# KiCad board poly_kb_wave_left.kicad_pcb (continued)
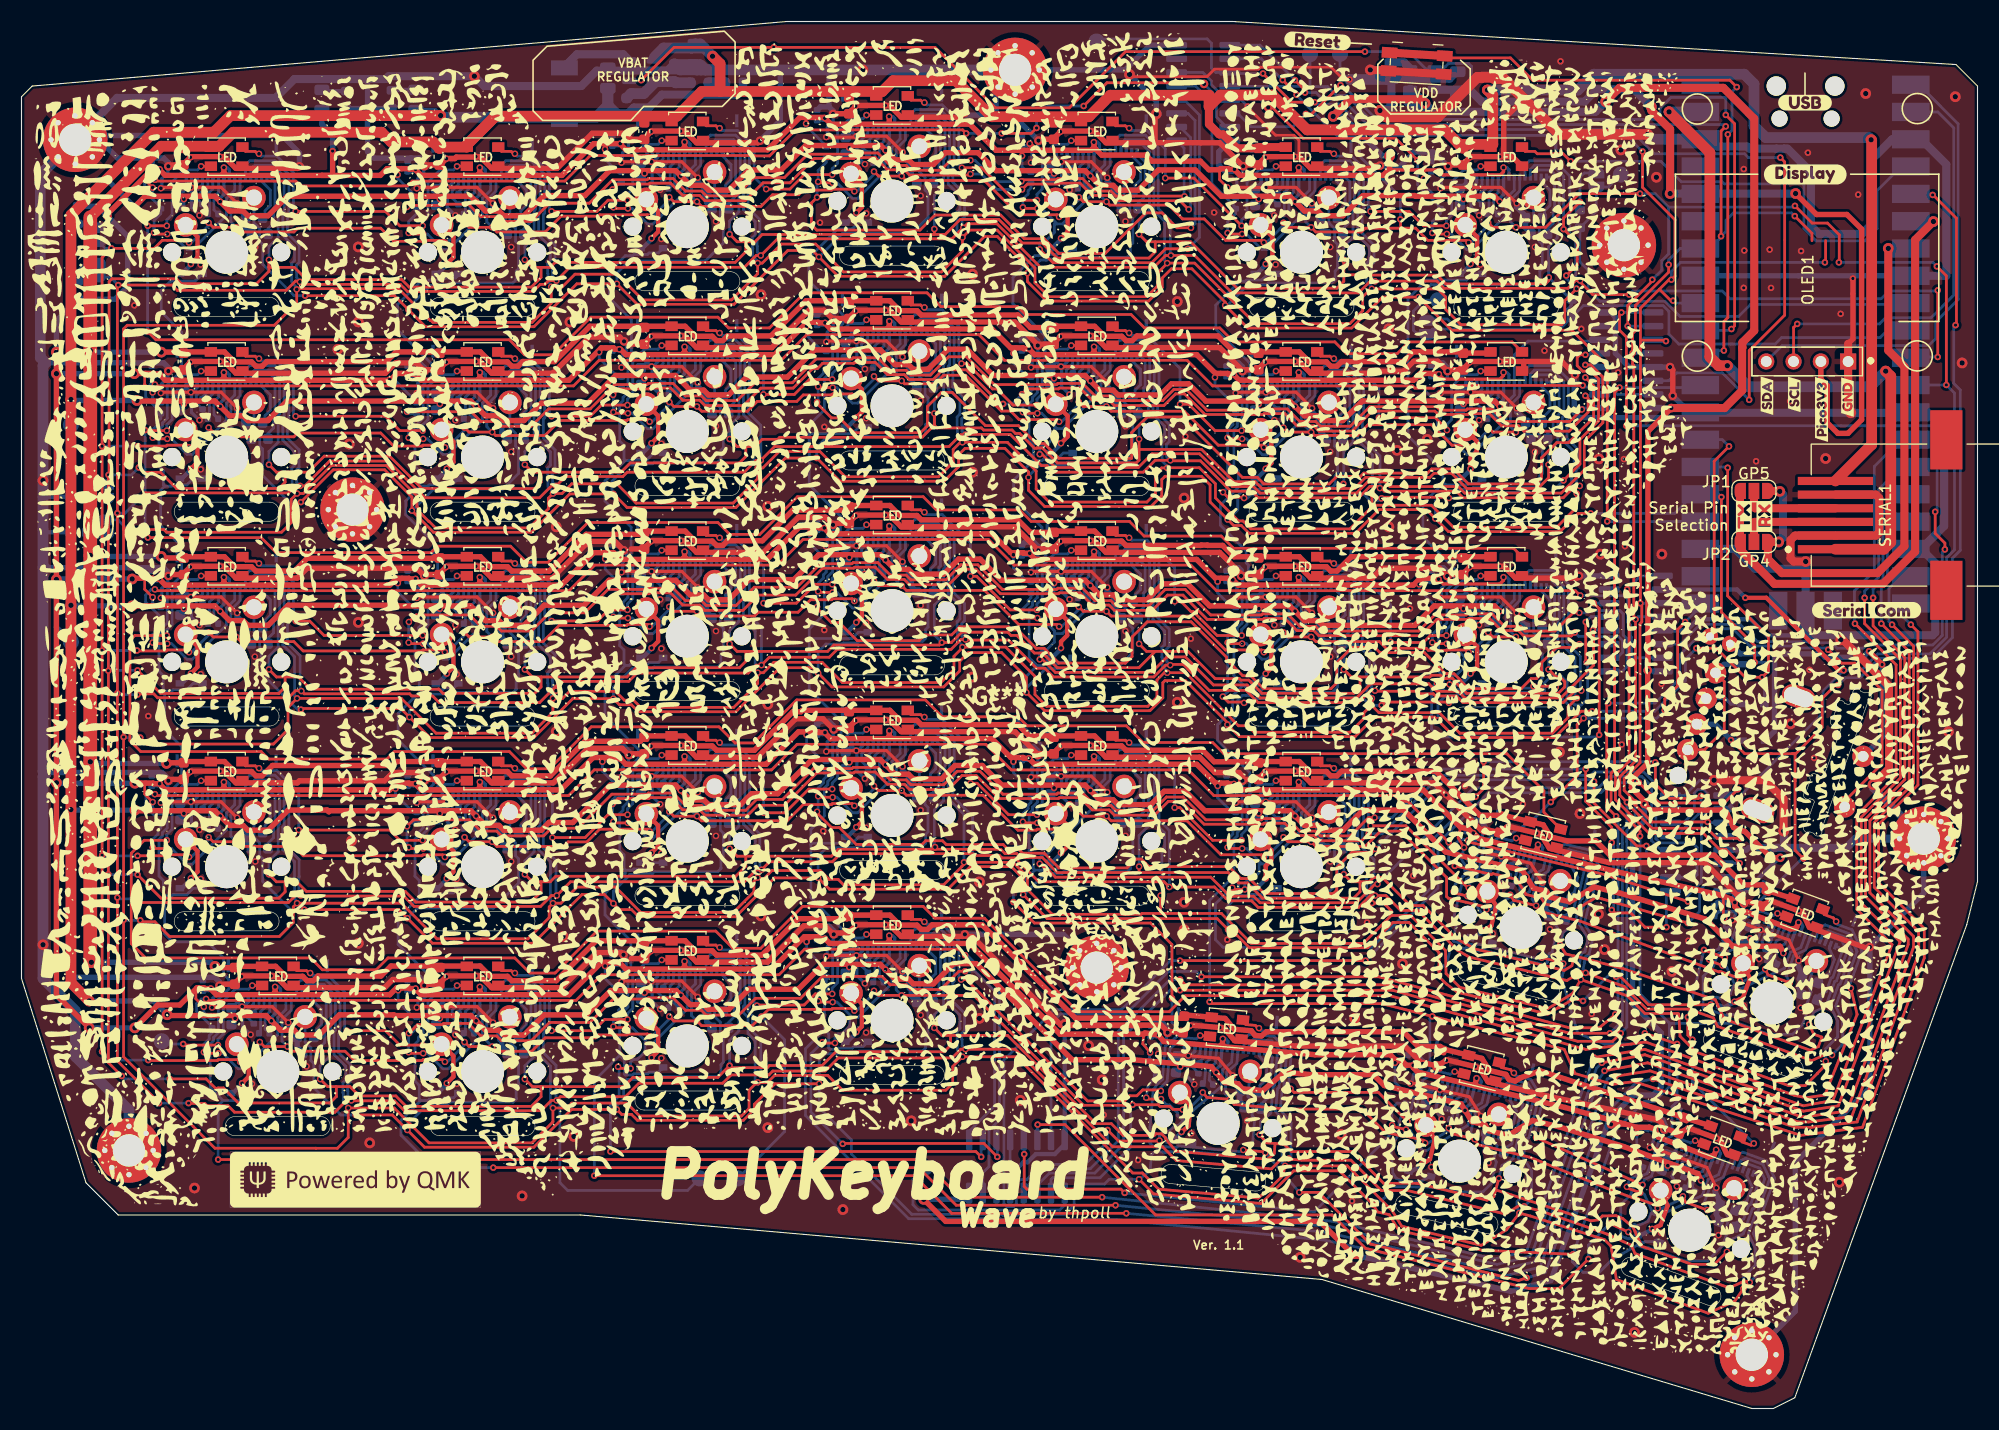
[diagram p0: board, top side]
## Routing (per net, layer and track width the routed paths; a pad name or vN(x,y) marks a point on that pad's centre or on a via; arc(x,y) is an arc through that point) (continued)
/K_W/CS: length 119.7
  Top w0.254: v3(56.43,92.57) 55.18,92.57 v3(55.07,92.67) ; v3(93.09,94.33) 93.59,94.83 96.48,94.83 96.57,94.91 98.49,94.91 99.63,93.78 101.19,93.78 101.69,93.28 106.3,93.28 107.39,94.37 108.21,94.37 110.13,92.45 115.53,92.45 115.62,92.53 117.54,92.53 118.68,91.4 120.24,91.4 120.73,90.91 123.8,90.91 125.66,92.76 131.51,92.76 131.83,92.45 134.58,92.45 134.67,92.53 136.59,92.53 137.73,91.4 139.29,91.4 139.79,90.9 144,90.9 145.77,92.67 145.77,93.94 v4(145.52,94.19) ; v3(55.05,94.28) 55.6,94.83 58.38,94.83 58.47,94.91 60.39,94.91 61.53,93.78 63.09,93.78 63.59,93.28 67.18,93.28 68.8,94.9 71.8,94.9 73.61,96.71 74.04,96.71 74.54,97.21 77.43,97.21 77.52,97.3 79.44,97.3 80.58,96.16 82.14,96.16 82.59,95.71 84.83,95.71 85.72,96.6 87.91,96.6 91.08,93.44 v4(91.33,93.44)
  Bottom w0.254: v3(55.07,92.67) 55.07,94.25 v3(55.05,94.28) 55.05,94.4 55.57,94.92 R1_10.2 ; U5.2 146.72,94.19 v4(145.52,94.19) ; v3(56.43,92.57) 56.83,92.57 58.27,91.13 58.76,91.13 61.94,94.3 61.94,95.88 62.7,96.64 CONN10.10 ; v4(91.33,93.44) 92.2,93.44 v3(93.09,94.33)
/K_W/SW-D: length 5.9
  Top w0.4: SW_K_10.2 59.24,92.31 59.24,90.4 v3(58.62,89.78)
  Bottom w0.25: 57.55,88.84 57.76,88.84
  Bottom w0.4: v3(58.62,89.78) 58.62,89.71 57.76,88.84
/K_W/VCOMH: length 4.2
  Bottom w0.254: CONN10.15 65.2,97.47 66.02,96.66 66.02,95.22 65.52,94.72 65.52,94.18
/K_X/C1N: length 3.8
  Bottom w0.254: C6_24.2 60.77,56.72 60.77,57.91 61.2,58.34 CONN24.7
/K_X/C1P: length 3.6
  Bottom w0.254: C6_24.1 60.35,56.48 60.35,58.34 60.66,58.65 60.66,59.72 CONN24.6
/K_X/C2N: length 1.8
  Bottom w0.254: C5_24.2 59.71,58.36 60.2,58.85 CONN24.5
/K_X/C2P: length 3
  Bottom w0.254: CONN24.4 59.7,59.07 59.13,58.5 59.13,57.81 C5_24.1
/K_X/CS: length 137.7
  Top w0.254: v3(55.07,54.57) 55.18,54.47 v3(56.43,54.47) ; v3(125.35,53.45) 124.7,52.8 120.74,52.8 120.24,53.3 118.68,53.3 117.54,54.43 115.62,54.43 115.53,54.35 110.03,54.35 107.91,56.47 106.71,56.47 105.42,55.18 101.69,55.18 101.19,55.68 99.63,55.68 98.49,56.81 96.57,56.81 96.48,56.73 90.97,56.73 88.83,58.87 87.51,58.87 86.21,57.57 82.64,57.57 82.14,58.06 80.58,58.06 79.44,59.2 77.52,59.2 77.43,59.11 73.99,59.11 70.98,56.1 68.5,56.1 67.58,55.18 63.59,55.18 63.09,55.68 61.53,55.68 60.39,56.81 58.47,56.81 58.38,56.73 55.49,56.73 v3(54.99,56.23)
  Bottom w0.254: v3(56.43,54.47) 56.83,54.47 58.27,53.03 58.76,53.03 61.94,56.2 61.94,57.78 62.7,58.54 CONN24.10 ; R1_24.2 55.22,56.82 54.99,56.6 v3(54.99,56.23) 54.99,54.65 v3(55.07,54.57) ; U7.2 155.67,49.41 155.9,49.64 155.9,52.18 155.48,52.6 152.47,52.6 152.08,52.99 152.08,58.05 150.93,59.2 146.33,59.2 146.02,58.89 132.04,58.89 126.6,53.45 v3(125.35,53.45)
/K_X/LED_DOUT: length 27
  Top w0.254: 60.49,60.77 60.48,60.77 v3(59.57,60.77) ; 44.26,60.17 44.66,59.77 45.56,59.77 45.78,59.55 v3(45.91,59.55) ; v3(49.4,53.1) 52.45,53.1 54.57,55.23 v3(56.38,55.23)
  Bottom w0.254: v3(49.4,53.1) 49.4,57.51 47.57,59.33 46.13,59.33 v3(45.91,59.55) ; v3(59.57,60.77) 59.24,60.43 58,60.43 56.88,59.32 56.88,56.27 56.38,55.78 v3(56.38,55.23)
/K_X/SW-D: length 5.9
  Top w0.4: SW_K_24.2 59.24,54.21 59.24,52.3 v3(58.62,51.68)
  Bottom w0.25: 57.55,50.74 57.76,50.74
  Bottom w0.4: 57.76,50.74 58.62,51.61 v3(58.62,51.68)
/K_X/VCOMH: length 4.2
  Bottom w0.254: 65.52,56.08 65.52,56.62 66.02,57.12 66.02,58.56 65.2,59.37 CONN24.15
/K_Z/C1N: length 3.8
  Bottom w0.254: CONN23.7 42.15,55.96 41.72,55.53 41.72,54.34 C6_23.2
/K_Z/C1P: length 3.6
  Bottom w0.254: CONN23.6 41.61,57.34 41.61,56.27 41.3,55.96 41.3,54.1 C6_23.1
/K_Z/C2N: length 1.8
  Bottom w0.254: C5_23.2 40.66,55.98 41.15,56.47 CONN23.5
/K_Z/C2P: length 3
  Bottom w0.254: C5_23.1 40.08,55.43 40.08,56.12 40.65,56.69 CONN23.4
/K_Z/CS: length 161.2
  Top w0.254: v3(37.38,52.09) 36.13,52.09 v3(36.02,52.19) ; v4(153.06,44.77) 151.04,44.77 151.04,44.78 149.73,46.09 148.25,46.09 v4(147.97,46.37) ; v3(35.87,54.15) 36.47,54.75 41.69,54.75 42.74,53.7 44.21,53.7 44.66,53.26 48.58,53.26 49.3,53.97 51.77,53.97 54.93,57.14 58.22,57.14 58.33,57.24 60.63,57.24 61.79,56.08 63.26,56.08 63.71,55.64 67.38,55.64 68.4,56.65 70.82,56.65 73.68,59.52 77.27,59.52 77.38,59.63 79.68,59.63 80.84,58.46 82.31,58.46 82.76,58.02 85.82,58.02 87.07,59.27 89.18,59.27 91.32,57.14 96.32,57.14 96.43,57.24 98.73,57.24 99.89,56.08 101.36,56.08 101.81,55.64 105.3,55.64 106.54,56.87 108.08,56.87 110.2,54.75 115.37,54.75 115.48,54.86 117.78,54.86 118.94,53.7 120.41,53.7 120.86,53.26 123.63,53.26 125.33,54.96 v3(125.9,54.96) ; v4(145.54,59.48) 145.54,56.47 147.97,54.05 v4(147.97,52.64)
  Bottom w0.254: U7.1 153.06,47.76 v4(153.06,44.77) ; v4(145.54,59.48) 132.05,59.48 127.53,54.96 v3(125.9,54.96) ; R1_23.2 36.16,54.44 v3(35.87,54.15) 35.87,52.34 v3(36.02,52.19) ; v4(147.97,46.37) 148.14,46.55 148.14,52.46 v4(147.97,52.64) ; v3(37.38,52.09) 37.78,52.09 39.22,50.65 39.71,50.65 42.89,53.82 42.89,55.4 43.65,56.16 CONN23.10
/K_Z/SW-D: length 5.9
  Top w0.4: v3(39.57,49.3) 40.19,49.92 40.19,51.83 SW_K_23.2
  Bottom w0.25: 38.5,48.36 38.71,48.36
  Bottom w0.4: 38.71,48.36 39.57,49.22 v3(39.57,49.3)
/K_Z/VCOMH: length 4.2
  Bottom w0.254: 46.47,53.69 46.47,54.24 46.97,54.74 46.97,56.17 46.15,56.99 CONN23.15
/ShiftRegisters/Carry1: length 90.1
  Top w0.254: v4(163.65,116.35) 164.06,115.94 164.06,101.69 160.76,98.39 v4(160.76,93.81) ; v4(119.43,122.39) 119.43,122.62 v4(118.49,123.56)
  Bottom w0.254: v4(160.76,93.81) 158.25,96.32 153.99,96.32 153.26,95.59 151.8,95.59 ; v4(119.43,122.39) 120.45,122.39 121.12,121.73 122.93,121.73 125.69,118.96 149.67,118.96 151.93,116.7 160.33,116.7 160.68,116.35 v4(163.65,116.35) ; v4(118.49,123.56) 115.24,126.81 U4.9
/ShiftRegisters/Carry2: length 90.6
  Top w0.254: v4(178.96,79.9) 178.96,80.49 178.06,81.39 v4(178.06,83.4) ; v4(148.87,101.94) 148.69,101.76 148.69,100.29 149.33,99.66 v4(149.33,91.4)
  Bottom w0.254: v4(178.06,83.4) 178.24,83.58 178.24,90.82 177.66,91.4 149.33,91.4 v4(149.33,91.4) ; 151.8,101.94 v4(148.87,101.94) ; v4(178.96,79.9) 178.72,79.66 178.72,71.9 177.84,71.02 171.67,71.02 171.36,70.72 168.94,70.72 168.43,71.23 166.34,71.23 166.25,71.32 161.53,71.32 159.92,72.93 156.18,72.93 154.35,71.09 U6.14
/ShiftRegisters/Carry3: length 39.5
  Top w0.254: v4(149.4,76.2) 149.58,76.02 149.58,60.19 148.31,58.92 148.31,56.63 148.79,56.15 148.79,56.14 151.45,53.49 156.51,53.49 157.99,52.01 158.58,52.01 v4(159.87,50.71)
  Bottom w0.254: U6.9 150.64,77.44 v4(149.4,76.2) ; U7.14 158.42,50.71 v4(159.87,50.71)
/ShiftRegisters/Carry4: length 96.9
  Top w0.254: v4(159.7,57.59) 158.43,56.32 152.39,56.32 v4(150.5,58.21) ; v4(107.8,41.65) v4(125.05,41.65)
  Bottom w0.254: v4(150.5,58.21) 147.9,58.21 146.96,57.27 136.49,57.27 131.8,52.58 131.8,48.4 v4(125.05,41.65) ; U8.14 90.72,22.39 91.41,23.09 91.41,32.41 96.1,37.1 102.35,37.1 106.9,41.65 v4(107.8,41.65) ; U7.9 158.62,57.26 159.37,57.26 v4(159.7,57.59)
/ShiftRegisters/CarryOut: length 19.6
  Bottom w0.254: TP5.1 82.95,21.3 82.95,18.95 83.44,18.46 91.41,18.46 91.49,18.38 92.48,18.38 92.56,18.46 96.61,18.46 97.07,18.92 U8.9
Col1: length 346.2
  Top w0.254: v4(170.6,73) 174.43,69.17 174.43,58.83 170.77,55.17 170.77,46.43 174.05,43.15 168.55,28.65 165.8,28.15 151.05,33.4 v4(146.3,32.65) ; v4(18.3,23.15) 83.8,23.15 87.3,19.65 v4(100.55,19.65)
  Bottom w0.25: 15.53,86.05 15.97,86.49 D1_8.1 ; 15.53,67 15.97,67.44 D1_15.1 ; D1_22.1 15.97,48.39 15.53,47.95
  Bottom w0.254: 13.32,85.79 13.2,85.91 13.2,87.21 12.8,87.61 12.8,91.05 13.11,91.36 13.11,91.66 13.56,92.11 13.56,95.2 14.91,96.55 14.91,100.09 13,102 13,104 13.85,104.85 16.15,104.85 D1_1.1 ; 13.32,85.79 13.78,85.79 14,85.79 14.12,85.91 15.39,85.91 15.53,86.05 ; 13.32,85.79 12.95,85.41 12.95,82.12 14.91,80.17 14.91,77.5 13.56,76.15 13.56,73.06 13.11,72.61 13.11,72.31 12.8,72 12.8,68.56 13.2,68.16 13.2,66.86 13.32,66.74 ; U1.14 172.4,87.62 172.4,77.9 170.55,76.05 170.55,73.05 v4(170.6,73) ; 15.53,67 15.39,66.86 14.12,66.86 14,66.74 13.78,66.74 13.32,66.74 ; v4(18.3,23.15) 18.3,28.17 18.76,28.64 ; v4(146.3,32.65) 140.05,14.65 137.05,13.9 122.05,17.4 v4(100.55,19.65) ; 18.76,28.64 20.9,28.64 D1_29.1 ; 18.76,28.64 17.56,29.84 17.56,33.9 17.87,34.21 17.87,34.51 18.32,34.96 18.32,38.05 19.29,39.02 19.29,39.91 18.8,40.4 18.8,41.9 17.3,43.4 14.05,43.4 13.32,44.13 13.32,47.69 ; 15.53,47.95 15.39,47.81 14.12,47.81 14,47.69 13.78,47.69 13.32,47.69 ; 13.32,47.69 13.2,47.81 13.2,49.11 12.8,49.51 12.8,52.95 13.11,53.26 13.11,53.56 13.56,54.01 13.56,57.1 14.91,58.45 14.91,61.54 13.32,63.13 13.32,66.74
Col2: length 328.4
  Top w0.254: v4(171.5,75.4) 171.5,73 174.83,69.67 174.83,58.66 171.17,55.01 171.17,47.03 174.8,43.4 169.05,28.15 165.8,27.65 151.05,32.9 v4(147.05,32.15) ; v4(101.8,18.9) 86.97,18.9 83.47,22.4 v4(43.9,22.4)
  Bottom w0.25: 39.35,67 40.21,67 D1_16.1 ; 39.35,28.9 40.21,28.9 D1_30.1 ; 39.35,47.95 40.21,47.95 D1_23.1 ; 39.35,86.05 40.21,86.05 D1_9.1 ; 39.35,105.1 39.38,105.14 40.39,105.14 40.65,105.4 D1_2.1
  Bottom w0.254: 37.13,66.74 37.01,66.86 37.01,68.16 36.61,68.56 36.61,72 36.92,72.31 36.92,72.61 37.37,73.06 37.37,76.15 38.72,77.5 38.72,80.17 35.75,83.14 35.75,84.4 37.13,85.79 ; 37.13,66.74 35.05,64.65 35.05,62.17 38.34,58.88 38.34,58.07 37.37,57.1 37.37,54.01 36.92,53.56 36.92,53.26 36.61,52.95 36.61,49.51 37.01,49.11 37.01,47.81 37.13,47.69 ; 37.13,66.74 37.41,66.74 37.51,66.84 39.19,66.84 39.35,67 ; 37.13,85.79 37.01,85.91 37.01,87.21 36.61,87.61 36.61,91.05 36.92,91.36 36.92,91.66 37.37,92.11 37.37,95.2 38.16,95.99 38.16,97.16 35,100.32 35,102.7 37.13,104.84 37.6,104.84 37.81,104.84 37.93,104.96 39.2,104.96 39.35,105.1 ; 37.13,85.79 37.6,85.79 37.81,85.79 37.93,85.91 39.21,85.91 39.35,86.05 ; v4(101.8,18.9) 121.8,16.9 137.3,13.4 140.3,14.15 140.55,14.4 146.55,31.65 v4(147.05,32.15) ; 37.13,28.64 37.01,28.76 37.01,30.06 36.61,30.46 36.61,33.9 36.92,34.21 36.92,34.51 37.37,34.96 37.37,38.05 38.34,39.02 38.34,39.86 35.05,43.15 35.05,45.6 37.13,47.69 ; 37.13,28.64 37.56,28.64 37.82,28.64 37.93,28.76 39.2,28.76 39.35,28.9 ; 37.13,28.64 35.31,26.82 35.31,25.42 38.33,22.4 v4(43.9,22.4) ; v4(171.5,75.4) 171.5,76.03 172.8,77.33 172.8,85.48 U1.15 ; 37.13,47.69 37.6,47.69 37.81,47.69 37.93,47.81 39.2,47.81 39.35,47.95
Col3: length 313.1
  Top w0.254: v4(53.3,21.65) 83.05,21.65 86.55,18.15 v4(102.8,18.15) ; v4(172.29,75.4) 172.29,72.79 175.24,69.84 175.24,58.49 171.58,54.84 171.58,47.62 175.55,43.65 175.55,43.15 170.05,28.15 169.8,27.65 166.05,27.15 165.55,27.15 151.3,32.15 v4(147.3,31.4)
  Bottom w0.25: D1_24.1 58.83,50.77 58.4,50.33 ; D1_17.1 59.26,69.38 58.4,69.38 ; 58.4,107.48 59.26,107.48 D1_3.1 ; 58.4,88.43 58.83,88.87 D1_10.1
  Bottom w0.254: v4(102.8,18.15) 121.3,16.4 136.8,12.9 137.55,12.9 140.8,13.65 146.8,30.65 v4(147.3,31.4) ; 56.18,50.07 56.18,49.79 54.3,47.9 54.3,45.9 56.7,43.51 56.7,40.71 56.42,40.43 56.42,37.34 55.97,36.89 55.97,36.59 55.66,36.28 55.66,32.85 ; 56.18,50.07 56.06,50.2 56.06,51.5 55.66,51.9 55.66,55.33 55.97,55.64 55.97,55.94 56.42,56.39 56.42,59.48 57.39,60.45 57.39,61.31 54.3,64.4 54.3,67.23 56.18,69.12 ; 56.18,50.07 56.65,50.07 56.86,50.07 56.98,50.19 58.25,50.19 58.4,50.33 ; 58.4,107.48 58.25,107.34 56.98,107.34 56.86,107.22 56.65,107.22 56.18,107.22 54.7,105.73 54.7,103.3 56.75,101.25 56.75,97.91 56.42,97.58 56.42,94.49 55.97,94.04 55.97,93.74 55.66,93.43 55.66,90 56.06,89.6 56.06,88.3 56.18,88.17 ; 58.4,69.38 58.25,69.24 56.98,69.24 56.97,69.22 56.65,69.22 56.54,69.12 56.18,69.12 ; 56.18,69.12 56.06,69.25 56.06,70.55 55.66,70.95 55.66,74.38 55.97,74.69 55.97,74.99 56.42,75.44 56.42,78.53 56.72,78.83 56.72,81.98 54.3,84.4 54.3,86.28 56.18,88.17 ; 56.18,88.17 56.65,88.17 56.86,88.17 56.98,88.29 58.25,88.29 58.4,88.43 ; 55.66,32.85 53.3,30.48 v4(53.3,21.65) ; 55.66,32.85 56.09,32.41 56.09,31.51 56.11,31.49 56.11,31.09 56.18,31.02 56.86,31.02 56.98,31.14 58.25,31.14 58.4,31.28 59.26,31.28 D1_31.1 ; v4(172.29,75.4) 172.29,76.24 173.21,77.17 173.21,83.35 U1.16
Col4: length 296.2
  Top w0.254: v4(148.3,30.9) 151.55,31.4 165.3,26.65 166.3,26.65 170.3,27.15 176.05,42.9 176.05,43.9 171.99,47.96 171.99,54.67 175.64,58.33 175.64,70.41 v4(173.05,73)
  Bottom w0.25: D1_18.1 77.88,72.2 77.45,71.76 ; 77.45,90.81 77.88,91.25 D1_11.1 ; 77.45,52.71 77.89,53.15 77.89,53.15 D1_25.1 ; D1_4.1 77.88,110.3 77.45,109.86 ; 77.45,33.66 78.31,33.66 D1_32.1
  Bottom w0.254: 73.3,71.7 73.3,72.5 74.71,73.91 74.71,76.76 75.02,77.07 75.02,77.37 75.47,77.82 75.47,80.92 76.19,81.63 76.19,83.01 73.3,85.9 73.3,90.5 ; 73.3,71.7 73.3,66.9 76.25,63.95 76.25,62.65 75.47,61.87 75.47,58.77 75.02,58.32 75.02,58.02 74.71,57.71 74.71,55.11 73.45,53.85 73.45,52.45 ; 73.3,71.7 73.38,71.62 77.3,71.62 77.45,71.76 ; 76.03,109.72 77.3,109.72 77.45,109.86 ; 73.45,52.45 73.45,47.5 76.44,44.51 76.44,43.78 75.47,42.82 75.47,39.72 75.02,39.27 75.02,38.97 74.71,38.66 74.71,35.23 ; 73.45,52.45 73.56,52.57 77.3,52.57 77.45,52.71 ; 74.71,35.23 72.95,33.47 72.95,27.25 82.55,17.65 91.07,17.65 91.15,17.57 101.91,17.57 121.3,15.65 137.3,12.15 141.3,13.15 147.55,30.65 v4(148.3,30.9) ; 74.71,35.23 75.11,34.83 75.11,33.53 75.23,33.4 75.7,33.4 75.91,33.4 76.03,33.52 77.3,33.52 77.45,33.66 ; 76,109.75 73.25,107 73.25,104.89 76.44,101.7 76.44,100.93 75.47,99.97 75.47,96.87 75.02,96.42 75.02,96.12 74.71,95.81 74.71,92.89 73.3,91.48 73.3,90.5 ; 73.3,90.5 73.46,90.67 77.3,90.67 77.45,90.81 ; U1.17 173.62,81.22 173.62,77 173.05,76.43 v4(173.05,73)
Col5: length 259.6
  Top w0.254: v4(92.3,47.1) 94.25,45.15 105.05,45.15 107.05,43.15 v4(107.05,38.15) ; v4(140.05,12.15) 139.3,11.9 125.5,15.3 120.7,20.1 v3(118.9,20.1) ; v4(151.8,30.65) 165.05,26.15 166.55,26.15 170.8,26.65 176.55,42.4 176.51,44.37 172.39,48.48 172.39,54.5 176.05,58.16 176.05,70.9 v4(174.05,72.9) ; v3(115.74,23.79) 115.67,23.87 v3(113.68,24.04)
  Bottom w0.25: 107.59,24.39 107.63,24.43 109.91,24.23 109.95,24.19 ; 96.5,88.43 96.93,88.87 D1_12.1 ; 96.5,107.48 97.36,107.48 D1_5.1 ; D1_19.1 97.36,69.38 96.5,69.38 ; D1_26.1 96.91,50.77 96.5,50.35 96.5,50.33
  Bottom w0.254: 96.5,50.33 96.35,50.19 95.08,50.19 94.96,50.07 94.75,50.07 94.28,50.07 ; v4(92.3,47.1) 92.3,48.08 94.28,50.07 ; 96.5,107.48 96.35,107.34 95.08,107.34 94.97,107.22 94.64,107.22 94.64,107.22 94.28,107.22 92.25,105.18 92.25,102.75 95.24,99.76 95.24,98.3 94.52,97.58 94.52,94.49 94.07,94.04 94.07,93.74 93.76,93.43 93.76,90 94.16,89.6 94.16,88.3 94.28,88.17 94.31,88.17 ; U1.19 173.76,76.28 173.76,73.19 v4(174.05,72.9) ; 94.31,88.17 94.14,88.17 92.31,86.34 92.31,84.59 94.95,81.95 94.95,80.85 95.32,80.48 95.32,79.33 94.52,78.53 94.52,75.44 94.07,74.99 94.07,74.69 93.76,74.38 93.76,69.84 94.5,69.1 ; 94.31,88.17 94.59,88.17 94.59,88.17 94.97,88.17 95.08,88.29 96.35,88.29 96.5,88.43 ; v4(151.8,30.65) 150.3,30.35 150.29,30.35 147.03,27.1 141.8,12.65 v4(140.05,12.15) ; 94.5,69.1 92.7,67.29 92.7,63.95 95.24,61.41 95.24,60.2 94.52,59.48 94.52,56.39 94.07,55.94 94.07,55.64 93.76,55.33 93.76,51.9 94.16,51.5 94.16,50.2 94.28,50.07 ; 94.5,69.1 94.98,69.1 95.12,69.24 96.35,69.24 96.5,69.38 ; 107.59,24.39 107.44,24.26 106.17,24.37 106.08,24.29 105.83,24.29 105.37,24.33 105,24.69 105,26.19 105.3,29.61 105.7,30.2 106.15,30.6 106.42,33.69 107.47,34.56 107.47,35.48 107.05,35.9 v4(107.05,38.15) ; v3(118.9,20.1) v3(115.74,23.79) ; v3(113.68,24.04) 113.48,23.88 109.95,24.19
Col6: length 231.1
  Top w0.254: v4(175.8,72.9) 176.46,72.25 176.46,57.99 172.8,54.33 172.8,48.9 177.05,44.65 177.05,41.9 171.3,26.15 165.55,25.4 150.05,30.4 148.05,30.15 144.55,31.15 143.55,33.4 v4(131.27,36.47) 126.55,37.65 110.71,37.65 v4(110.55,37.82)
  Bottom w0.25: 115.55,105.1 115.98,105.54 D1_6.1 ; 115.55,67 115.98,67.44 D1_20.1 ; 115.55,47.95 116.41,47.95 D1_27.1 ; 115.4,85.91 115.55,86.05 116.41,86.05 D1_13.1
  Bottom w0.254: 115.55,47.95 115.4,47.81 114.17,47.81 114.06,47.7 113.58,47.7 113.57,47.71 113.31,47.71 113.25,47.77 113.25,48.03 113.24,48.04 113.24,48.52 113.25,48.54 113.25,48.69 113.21,48.73 113.21,49.11 112.81,49.51 ; 115.55,105.1 115.4,104.96 113.98,104.96 113.86,104.84 113.8,104.84 113.33,104.84 111.12,102.63 111.12,100.39 114.29,97.23 114.29,95.92 113.57,95.2 113.57,92.11 113.12,91.66 113.12,91.36 112.81,91.05 112.81,87.61 113.21,87.21 113.21,86.85 113.22,86.84 113.22,86.36 113.21,86.34 113.21,85.91 113.33,85.79 ; 113.69,67.3 112.7,66.3 112.7,65 111.3,63.6 111.3,62.12 114.29,59.13 114.29,57.82 113.57,57.1 113.57,54.01 113.12,53.56 113.12,53.26 112.81,52.95 112.81,49.51 ; 113.69,67.3 112.81,68.18 112.81,72 113.12,72.31 113.12,72.61 113.57,73.06 113.57,76.15 114.16,76.74 114.16,78.45 113.95,78.66 113.95,79.75 111.55,82.15 111.55,84 113.33,85.79 ; 113.69,67.3 114.13,66.86 115.4,66.86 115.55,67 ; v4(110.55,37.82) 110.55,47.25 112.81,49.51 ; v4(131.27,36.47) 131.22,36.47 131.05,36.3 131.05,31.47 130.99,31.41 130,30.8 129.3,27.9 128.43,27.27 128.2,26.7 128.1,25.4 127.55,24.55 127.43,23.93 127.6,21.9 127.91,21.41 128.7,21.1 130.1,21.1 D1_34.1 ; 113.33,85.79 113.8,85.79 114.01,85.79 114.13,85.91 115.4,85.91 ; U1.20 174.89,73.81 v4(175.8,72.9)
Col7: length 165.6
  Top w0.254: v4(152.9,64.95) 152.9,66 154.1,67.2 154.1,72.45 v4(154.8,73.15) ; v3(143.45,41.37) 143.4,41.47 v3(141.46,41.93) ; v4(142.3,56.4) 144.75,58.85 144.75,63.6 v3(145.35,64.2) ; v3(142.76,67.1) 142.69,67.18 v3(140.69,67.18) ; v4(154.05,33.9) v4(151.05,34.9)
  Bottom w0.25: 151.05,15.5 151.1,15.52 151.92,15.52 152.05,15.65 152.24,15.65 D1_35.1 ; D1_7.1 135.03,105.54 134.6,105.1 ; 136.96,67 136.93,67.04 134.63,67.04 134.6,67 ; 137.79,42.62 137.76,42.67 135.53,43.21 135.49,43.18 ; D1_14.1 135.46,86.05 134.6,86.05
  Bottom w0.254: v4(154.05,33.9) 154.05,28.55 153.57,28.07 153.57,25.36 152.33,24.78 151.27,21.87 150.69,21.6 150.59,21.32 150.19,21.14 149.73,19.87 148.81,18.95 148.81,16.17 148.88,16.01 149.32,15.85 149.32,15.85 149.52,15.78 149.67,15.85 150.87,15.42 151.05,15.5 ; v3(143.45,41.37) 143.59,41.15 143.32,40.02 144.8,34.9 147.3,33.9 150.05,33.9 v4(151.05,34.9) ; v4(142.3,56.4) 142.28,56.4 140.52,54.64 138.44,53.37 137.29,53.65 136.9,53.25 136.87,53.25 135.71,52.54 134.98,49.53 134.44,49.19 134.37,48.91 133.99,48.68 133.19,45.34 133.49,44.86 133.18,43.59 133.28,43.44 133.72,43.33 133.94,43.28 134.08,43.37 135.31,43.07 135.49,43.18 ; 134.6,67 134.45,66.86 133.21,66.86 133.12,66.76 133.09,66.76 133.06,66.74 132.85,66.74 132.38,66.74 132.26,66.86 132.26,67.19 132.29,67.23 132.29,67.71 132.28,67.73 132.28,67.78 132.27,67.79 132.27,67.79 132.26,67.8 132.26,68.16 131.86,68.56 131.86,72 132.17,72.31 132.17,72.61 132.62,73.06 132.62,76.15 133.34,76.87 133.34,78.11 130.4,81.05 130.4,84.17 132.28,86.05 132.28,86.11 ; v4(152.9,64.95) 152.15,64.2 v3(145.35,64.2) 145.2,64.2 142.76,66.64 v3(142.76,67.1) ; 134.6,105.1 134.45,104.96 130.75,104.96 129.01,103.21 129.01,90.47 132.26,87.21 132.26,86.09 132.28,86.11 ; 134.6,86.05 134.45,85.91 132.49,85.91 132.28,86.11 ; v3(141.46,41.93) 141.24,41.8 137.79,42.62 ; v3(140.69,67.18) 140.51,67 136.96,67 ; U1.21 156.52,74.87 v4(154.8,73.15)
Col8: length 110.2
  Top w0.254: 164.78,60.9 165.09,60.9 167.55,63.36 167.55,66.04 168.8,67.29 v4(169.03,67.29) ; 164.78,60.9 162.79,60.9 ; 164.78,60.9 164.99,60.9 165.02,60.87 165.02,58.33 ; 165.02,58.33 165.02,58.67 ; 165.02,58.33 165.02,51.93 v4(165.8,51.15) ; v4(159.07,62.17) 160.34,60.9 162.79,60.9 ; 162.79,60.9 162.78,60.91 ; v4(179.96,100.76) 180.04,100.84 180.04,110.7 177.87,112.87 v4(177.83,112.87)
  Bottom w0.25: D1_36.1 160.05,36.64 158.71,36.64
  Bottom w0.254: U1.5 174.99,112.87 v4(177.83,112.87) ; 158.71,36.64 158.52,36.56 157.33,36.99 157.18,36.92 156.98,36.99 156.54,37.15 156.47,37.31 156.47,40.19 157.44,41.16 157.85,42.28 158.24,42.46 158.35,42.74 158.93,43.01 159.99,45.92 160.84,46.31 165.67,51.15 v4(165.8,51.15) ; v4(179.96,100.76) 179.79,100.59 179.79,95.34 180.4,94.73 180.4,79.81 179.67,79.08 179.67,71.7 177.74,69.78 172.89,69.78 171.07,67.96 169.7,67.96 v4(169.03,67.29)
  Bottom w0.5: ENC1.C 157.59,63.65 v4(159.07,62.17) 159.12,62.12 D12.1
D-C: length 1505
  Top w0.25: v4(12.8,28.4) 12.8,28.45 8.92,32.33 v4(8.92,47.52) v4(8.92,66.52) 8.92,104.41 v4(9,104.49)
  Top w0.254: 168.39,32.86 167.99,33.01 166.58,32.35 157.8,35.54 157.44,36.33 155.11,37.15 151.22,37.15 149.1,39.26 v3(145.54,40.52) 145.12,40.62 143.79,39.8 134.71,41.98 133.64,42.6 129.92,46.32 128.33,46.32 126.94,47.71 v3(125.94,47.71) 125.51,47.71 124.41,46.61 115.07,46.61 114.46,47.22 112.52,47.22 112.32,47.42 112.08,47.42 111,48.5 v3(106.8,48.5) 106.31,48.99 94.65,48.99 92.44,51.21 91.23,51.21 91.01,51.43 v3(88.52,51.43) 88.34,51.6 76.2,51.6 75.45,50.85 69.6,50.85 v3(68.86,50.11) ; 25.97,66.71 25.93,66.76 25.49,66.76 24.84,66.1 12.67,66.1 12.3,66.47 10.87,66.47 v4(10.8,66.4) ; 68.83,69.09 68.79,69.14 68.36,69.14 67.62,68.4 57.27,68.4 56.5,67.63 50.18,67.63 48.21,65.66 38.87,65.66 38.26,66.27 36.32,66.27 36.12,66.47 26.3,66.47 v3(26.04,66.73) ; 160.73,11.72 160.33,11.87 158.92,11.21 150.14,14.4 149.78,15.19 147.52,16.22 146.68,16.53 141.19,18.42 139.85,18.74 v3(139.82,18.8) 139.4,18.9 138.07,18.09 128.99,20.27 126.53,20.27 123.7,23.1 119.1,23.1 117.96,23.2 117.21,23.2 116.3,22.29 107.45,23.06 106.17,24.34 101.54,24.34 92.45,33.42 87.41,33.42 86.59,32.6 76,32.6 74.78,31.39 69.91,31.39 69.55,31.03 v3(68.85,31.03) 66.02,31.03 65.25,30.25 57.45,30.25 56.2,29 50.15,29 v3(49.8,28.66) ; 49.78,47.66 49.74,47.71 49.31,47.71 48.3,46.7 36.53,46.7 35.56,47.66 25.97,47.66 25.93,47.71 25.49,47.71 24.85,47.06 11.14,47.06 v4(10.8,47.4) ; v4(9,104.49) 14.01,104.49 14.5,104 24.64,104 25.49,104.86 25.93,104.86 26.23,104.55 35.25,104.55 35.9,103.9 47.61,103.9 48.26,104.55 48.7,104.55 49.04,104.9 v3(49.77,104.9) 51.01,106.14 67.26,106.14 68.36,107.24 v3(68.79,107.24) 70.34,108.79 86.58,108.79 87.41,109.62 87.43,109.62 v3(87.63,109.82) 88,110.19 90.76,110.19 94.81,106.14 105.36,106.14 106.46,107.24 109.16,107.24 112.64,103.76 124.41,103.76 125.51,104.86 131.7,104.86 132.37,104.19 143.89,104.19 144.61,104.91 v3(145.02,104.91) 145.02,104.78 146.2,103.6 v4(149.6,103.6) ; 49.78,28.61 49.74,28.66 49.31,28.66 48.35,27.7 35.63,27.7 34.71,28.61 30.73,28.61 v3(30.69,28.66) 30.26,28.66 29.16,27.56 19.82,27.56 19.21,28.17 17.27,28.17 17.07,28.37 15.58,28.37 v4(15.55,28.4) ; v4(10.9,84.54) 11.51,85.16 24.85,85.16 25.49,85.81 v3(25.93,85.81) 26.36,85.81 28.66,88.11 34.13,88.11 37.54,84.71 48.21,84.71 49.31,85.81 v3(49.74,85.81) 50.61,86.68 55.95,86.68 56.36,87.09 67.26,87.09 68.36,88.19 v3(68.79,88.19) 70.07,89.47 86.31,89.47 87.41,90.57 v3(87.84,90.57) 87.87,90.6 92,90.6 94.9,87.7 95.41,87.7 96.02,87.09 104.38,87.09 105.48,88.19 v3(106.89,88.19) 106.93,88.14 109.69,88.14 112.52,85.32 114.46,85.32 115.07,84.71 124.41,84.71 125.46,85.76 126.36,85.76 126.8,85.32 133.51,85.32 134.12,84.71 143.46,84.71 144.56,85.81 v3(144.99,85.81) ; v3(49.8,47.71) 51.08,48.99 67.26,48.99 68.36,50.09 68.79,50.09 68.83,50.04 ; v3(68.85,69.14) 69.59,69.88 75.17,69.88 75.9,70.6 86.49,70.6 87.41,71.52 v3(87.84,71.52) 87.88,71.47 91.83,71.47 94.45,68.85 95.2,68.85 96.02,68.04 105.36,68.04 106.46,69.14 v3(106.89,69.14) 106.95,69.2 108.11,69.2 110.52,66.79 113.93,66.79 115.07,65.66 124.41,65.66 125.51,66.76 v3(125.94,66.76) 125.98,66.71 129.9,66.71 130.14,66.47 131.37,66.47 131.57,66.27 133.51,66.27 134.12,65.66 143.46,65.66 144.56,66.76 144.99,66.76 145.03,66.71 ; v4(178.3,104) v4(178.3,97.8)
  Bottom w0.25: 8.67,104.82 v4(9,104.49)
  Bottom w0.254: v3(49.74,66.76) 49.42,67.08 49.42,67.63 49.39,67.66 49.39,68.24 49.65,68.5 49.65,70.1 48.56,71.19 48.56,72.95 48.69,73.08 48.69,76.66 48.56,76.79 48.56,76.79 47.39,77.95 45.06,77.95 44.65,77.54 CONN16.12 ; v4(15.55,28.4) v4(12.8,28.4) ; v4(8.92,66.52) 9.04,66.4 v4(10.8,66.4) ; CONN30.12 44.65,39.44 45.06,39.85 47.39,39.85 48.56,38.69 48.56,38.69 48.69,38.56 48.69,34.98 48.56,34.85 48.56,33.09 49.74,31.91 49.74,28.72 v3(49.8,28.66) 49.8,28.6 50.1,28.3 50.1,21 50.82,20.28 61.98,20.28 TP11.1 ; v4(149.6,103.6) 149.93,103.94 158.24,103.94 158.96,103.22 173.04,103.22 173.76,103.94 178.24,103.94 v4(178.3,104) ; v3(117.92,23.25) 118.12,23.44 118.12,26.53 118.12,26.59 117.13,27.77 117.29,29.52 117.42,29.64 117.74,33.2 117.62,33.34 117.62,33.34 116.56,34.6 114.24,34.81 113.79,34.44 CONN33.12 ; 106.89,107.24 106.89,110.49 105.76,111.62 105.76,116.47 105.76,117.25 105.07,117.94 105.06,117.94 104.57,118.43 102.21,118.43 101.8,118.02 CONN5.12 ; 125.94,104.86 125.62,105.18 125.62,105.73 125.59,105.76 125.59,106.34 125.85,106.6 125.85,108.2 124.76,109.29 124.76,111.05 124.89,111.18 124.89,114.76 124.76,114.89 124.76,114.89 123.59,116.05 121.26,116.05 120.85,115.64 CONN6.12 ; v3(49.74,85.81) 49.42,86.13 49.42,86.68 49.39,86.71 49.39,87.29 49.65,87.55 49.65,89.15 48.56,90.24 48.56,92 48.69,92.13 48.69,95.71 48.56,95.84 48.56,95.84 47.39,97 45.06,97 44.65,96.59 CONN9.12 ; v3(125.94,66.76) 125.62,67.08 125.62,67.63 125.59,67.66 125.59,68.24 125.85,68.5 125.85,70.1 124.76,71.19 124.76,72.95 124.89,73.08 124.89,76.66 124.76,76.79 124.76,76.79 123.59,77.95 121.26,77.95 120.85,77.54 CONN20.12 ; 87.52,109.94 87.52,110.62 87.75,110.85 87.75,112.97 86.66,114.05 86.66,115.81 86.79,115.94 86.79,119.52 86.66,119.65 86.66,119.65 85.49,120.81 83.16,120.81 82.75,120.41 CONN4.12 ; v3(87.84,90.57) 87.52,90.89 87.52,91.44 87.49,91.47 87.49,92.05 87.75,92.31 87.75,93.92 86.66,95 86.66,96.76 86.79,96.89 86.79,100.47 86.66,100.6 86.66,100.6 85.49,101.76 83.16,101.76 82.75,101.35 CONN11.12 ; v4(10.9,84.54) 9.63,83.27 v4(8.92,83.27) ; v3(145.54,40.52) 145.3,40.9 145.43,41.44 145.4,41.48 145.54,42.04 145.85,42.23 146.23,43.79 145.42,45.1 145.83,46.81 145.99,46.91 146.82,50.39 146.73,50.54 146.73,50.54 145.87,51.95 143.6,52.49 143.11,52.19 CONN28.12 ; v4(8.92,47.52) 9.04,47.4 v4(10.8,47.4) ; v3(144.99,85.81) 144.67,86.13 144.67,86.68 144.64,86.71 144.64,87.29 144.9,87.55 144.9,89.15 143.81,90.24 143.81,92 143.94,92.13 143.94,95.71 143.81,95.84 143.81,95.84 142.64,97 140.31,97 139.9,96.59 CONN14.12 ; v4(178.3,97.8) 174.96,97.8 U1.11 ; CONN19.12 101.8,79.92 102.21,80.33 104.54,80.33 105.71,79.17 105.84,79.04 105.84,75.46 105.71,75.33 105.71,73.57 106.8,72.48 106.8,70.88 106.54,70.62 106.54,70.04 106.57,70.01 106.57,69.46 v3(106.89,69.14) ; 49.74,104.86 49.42,105.18 49.42,105.73 49.39,105.76 49.39,106.34 49.65,106.6 49.65,108.2 48.56,109.29 48.56,111.05 48.69,111.18 48.69,114.76 48.56,114.89 48.56,114.89 47.39,116.05 45.06,116.05 44.65,115.64 CONN2.12 ; 25.93,66.76 25.93,70.01 24.74,71.19 24.74,72.95 24.87,73.08 24.87,76.66 24.74,76.79 24.74,76.79 23.58,77.95 21.25,77.95 20.84,77.54 CONN15.12 ; CONN3.12 63.7,118.02 64.11,118.43 66.44,118.43 67.61,117.27 67.74,117.14 67.74,113.56 67.61,113.43 67.61,111.67 68.7,110.58 68.7,108.98 68.44,108.72 68.44,108.14 68.47,108.11 68.47,107.56 v3(68.79,107.24) ; v3(49.8,47.71) 49.74,47.77 49.74,50.96 48.56,52.14 48.56,53.9 48.69,54.03 48.69,57.61 48.56,57.74 48.56,57.74 47.39,58.9 45.06,58.9 44.65,58.49 CONN23.12 ; CONN34.12 137.39,30.47 137.88,30.78 140.15,30.23 141.01,28.83 141.01,28.83 141.11,28.67 140.27,25.19 140.12,25.1 139.71,23.39 140.51,22.07 140.51,19.49 v3(139.82,18.8) ; CONN12.12 101.8,98.97 102.21,99.38 104.54,99.38 105.71,98.22 105.84,98.09 105.84,94.51 105.71,94.38 105.71,92.62 106.8,91.53 106.8,89.93 106.54,89.67 106.54,89.09 106.57,89.06 106.57,88.51 v3(106.89,88.19) ; v3(145.13,66.77) 145.05,66.86 145.05,69.95 143.81,71.19 143.81,72.95 143.94,73.08 143.94,76.66 143.81,76.79 143.81,76.79 142.64,77.95 140.31,77.95 139.9,77.54 CONN21.12 ; CONN17.12 63.7,79.92 64.11,80.33 66.44,80.33 67.61,79.17 67.74,79.04 67.74,73.77 68.85,72.65 v3(68.85,69.14) ; CONN25.12 82.75,63.25 83.16,63.66 85.49,63.66 86.66,62.5 86.66,62.5 86.79,62.37 86.79,58.79 86.66,58.66 86.66,56.9 88.5,55.06 88.5,51.45 v3(88.52,51.43) ; v3(68.85,31.03) 68.79,31.09 68.79,34.29 68.01,35.07 68.01,36.54 67.61,36.94 67.61,37.23 67.74,37.36 67.74,40.94 66.44,42.23 64.11,42.23 63.7,41.82 CONN31.12 ; CONN36.12 167.3,44.73 167.82,44.98 170.02,44.18 170.71,42.69 170.79,42.52 169.56,39.16 169.4,39.08 168.8,37.43 169.45,36.03 169.45,33.86 v3(168.46,32.87) ; v3(68.86,50.11) 68.7,50.27 68.7,53.43 67.61,54.52 67.61,56.28 67.74,56.41 67.74,59.99 67.61,60.12 66.44,61.28 64.11,61.28 63.7,60.87 CONN24.12 ; v3(125.94,47.71) 125.59,48.06 125.59,49.19 125.85,49.45 125.85,51.05 124.76,52.14 124.76,53.9 124.89,54.03 124.89,57.61 124.76,57.74 124.76,57.74 123.59,58.9 121.26,58.9 120.85,58.49 CONN27.12 ; v3(87.84,71.52) 87.52,71.84 87.52,72.39 87.49,72.42 87.49,73 87.75,73.26 87.75,74.87 86.66,75.95 86.66,77.71 86.79,77.84 86.79,81.42 86.66,81.55 86.66,81.55 85.49,82.71 83.16,82.71 82.75,82.3 CONN18.12 ; v3(68.79,88.19) 68.79,91.44 67.61,92.62 67.61,94.38 67.74,94.51 67.74,98.09 67.61,98.22 66.44,99.38 64.11,99.38 63.7,98.97 CONN10.12 ; CONN32.12 82.75,44.2 83.16,44.61 85.49,44.61 86.66,43.45 86.66,43.45 86.79,43.32 86.79,39.74 86.66,39.61 86.66,37.85 87.75,36.77 87.75,35.16 87.49,34.9 87.49,34.32 87.52,34.29 87.52,33.74 v3(87.84,33.42) ; CONN8.12 20.84,96.59 21.25,97 23.58,97 24.74,95.84 24.74,95.84 24.87,95.71 24.87,92.13 24.74,92 24.74,90.24 25.83,89.15 25.83,87.55 25.57,87.29 25.57,86.71 25.61,86.68 25.61,86.13 v3(25.93,85.81) ; v3(160.8,11.74) 161.79,12.72 161.79,14.9 161.14,16.29 161.74,17.95 161.91,18.02 163.13,21.38 163.05,21.55 163.05,21.55 162.36,23.04 160.16,23.84 159.64,23.6 CONN35.12 ; CONN29.12 25.6,39.44 26.01,39.85 28.34,39.85 29.51,38.69 29.51,38.69 29.64,38.56 29.64,34.98 29.51,34.85 29.51,33.09 30.6,32 30.6,30.4 30.34,30.14 30.34,29.56 30.37,29.53 30.37,28.98 v3(30.69,28.66) ; 144.99,104.86 144.61,105.23 144.61,106.46 144.6,106.47 144.6,108.57 144.07,109.11 144.07,114.63 142.64,116.05 140.31,116.05 139.9,115.64 CONN7.12 ; 25.93,47.71 25.81,47.82 25.81,49.42 25.83,49.45 25.83,51.05 24.74,52.14 24.74,53.9 24.87,54.03 24.87,57.61 24.74,57.74 24.74,57.74 23.58,58.9 21.25,58.9 20.84,58.49 CONN22.12 ; v4(9,104.49) 8.26,105.23 JP4.2 ; CONN1.12 20.84,115.64 21.25,116.05 23.58,116.05 24.74,114.89 24.74,114.89 24.87,114.76 24.87,111.18 24.74,111.05 24.74,109.29 25.83,108.2 25.83,106.6 25.57,106.34 25.57,105.76 25.61,105.73 25.61,105.18 25.93,104.86 ; CONN26.12 101.8,60.87 102.21,61.28 104.54,61.28 105.84,59.99 105.84,54.74 106.8,53.78 v3(106.8,48.5) ; v3(126.4,85.6) 126.4,88.6 124.76,90.24 124.76,92 124.89,92.13 124.89,95.71 124.76,95.84 124.76,95.84 123.59,97 121.26,97 120.85,96.59 CONN13.12
  vias: v3(25.91,104.79) v3(25.99,47.71) v3(106.95,107.24) v3(125.94,104.83)
